# KiCad board middle.kicad_pcb (continued)
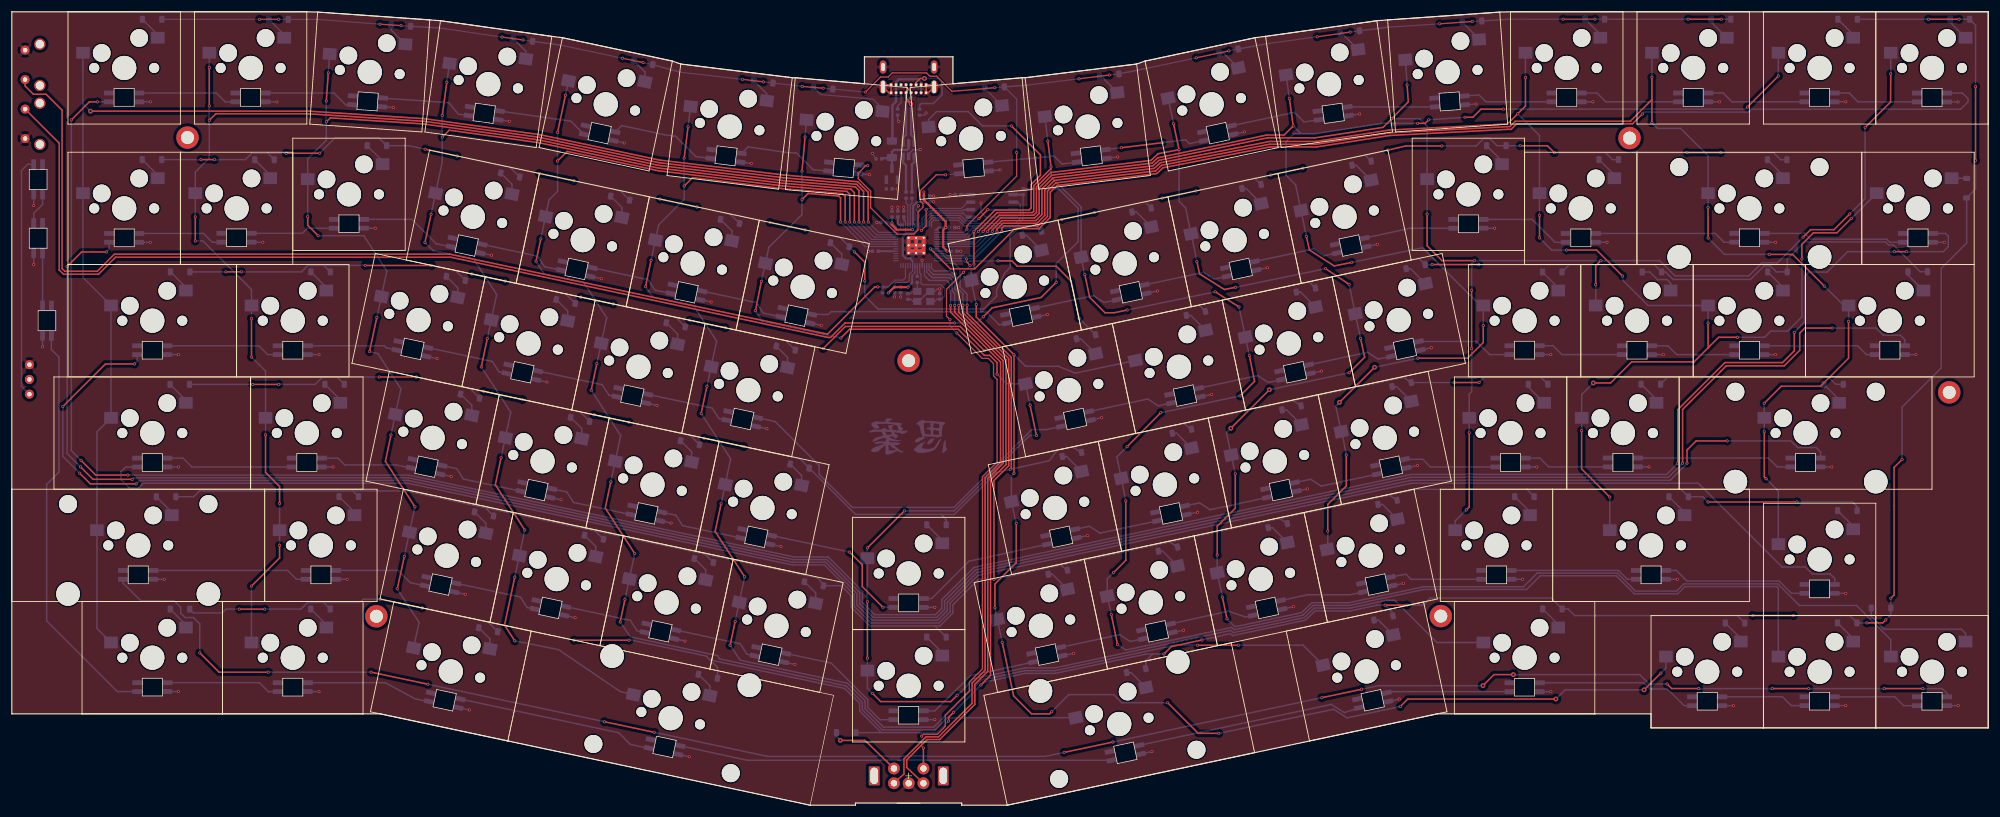
[diagram p0: board, top side]
## Routing (per net, layer and track width the routed paths; a pad name or vN(x,y) marks a point on that pad's centre or on a via; arc(x,y) is an arc through that point) (continued)
/IN_I0: length 70.1
  Bottom w0.25: RGBF0.2 17.88,19.28 5.9,31.25 5.9,54.38 7.99,56.47 7.99,75.98 6.71,77.26 RGBI0.4
/IN_I1: length 8.9
  Bottom w0.25: RGBI0.2 RGBI1.4
/IN_I2: length 5.5
  Bottom w0.25: RGBI2.4 5.21,101.87 3.71,100.37 RGBI1.2
/KC13_out: length 4.3
  Bottom w0.25: 324.03,87.28 KC13.2 321.41,89.9 DC13.2
/KD12_out: length 4.3
  Bottom w0.25: KD12.2 278.78,68.78 DD12.2
/KE0_out: length 4.2
  Bottom w0.25: DE0.2 27.13,49.68 KE0.2
/SW99B: length 12.6
  Top w0.25: v2(140.44,10.99) 144.6,10.99 SW1.S2
  Bottom w0.25: DF13.2 139.78,11.65 v2(140.44,10.99)
/~{USB_BOOT}: length 230
  Top w0.25: RSW1.2 8.03,112.27 8.03,90.77 8.77,90.03 14.69,90.03 17.59,92.93 74.37,92.93 138.36,79.32 138.78,79.32 141.23,81.78 v1(159.78,81.78) ; v1(164.67,82.84) 166.18,84.35 174.46,86.1 v1(177.02,88.66)
  Bottom w0.25: 164.45,82.62 v1(164.67,82.84) 163.59,81.77 v1(159.78,81.78) ; v1(177.02,88.66) 177.02,91.86 180.73,95.57 180.73,101.22 177.41,104.55 R0.1
col00: length 249.7
  Top w0.25: v1(145.15,98.91) 145.15,103.96 143.38,105.73 130.77,106.88 109.8,109.4 89.45,113.72 69.96,116.42 50.3,117.7 v2(13.34,117.7)
  Bottom w0.2: U3.41 146.92,97.15 ; 146.91,97.15 v1(145.15,98.91)
  Bottom w0.25: v2(13.34,117.7) 12.05,118.99 12.05,119 ; 12.05,119 KB0.1 12.05,89.51 KC0.1 KD0.1 14.43,63.31 KE0.1 14.43,29.97 KF0.1 ; 12.05,119 KA0.1
col01: length 233.9
  Top w0.25: v1(33.48,125.11) v1(33.48,118.6) ; v1(40.62,82.54) v1(40.63,76.01) ; v1(33.48,116.15) 34.58,117.25 50.29,117.25 69.93,115.97 89.37,113.27 109.75,108.95 130.78,106.4 143.18,105.3 144.37,104.1 v1(144.37,98.91) ; v1(45.39,51.17) 45.39,54.05 43.01,56.43 v1(43.01,62.81) ; v1(40.63,37.17) 45.39,41.93 v1(45.39,44.06) ; v1(31.1,99.76) v1(31.1,95.69)
  Bottom w0.2: v1(144.37,98.91) 146.53,96.75 U3.40
  Bottom w0.25: KF1.1 v1(40.63,37.17) ; v1(33.48,116.15) v1(33.48,118.6) ; v1(31.1,99.76) KB1.1 31.1,107.39 33.48,109.77 33.48,116.11 ; v1(45.39,51.17) KE1.1 v1(45.39,44.06) ; v1(43.01,62.81) KD1.1 43.01,73.63 v1(40.63,76.01) ; v1(40.62,82.54) KC1.1 40.62,87.45 32.38,95.69 v1(31.1,95.69) ; v1(33.48,125.11) KA1.1
col02: length 221.9
  Top w0.25: v1(53.64,124.18) v1(53.31,119.42) ; v1(65.33,36.69) v1(66.54,42.21) ; v1(51.92,96.58) 50.15,98.36 v1(50.15,99.81) ; v1(53.31,115.88) 53.31,115.88 53.99,116.56 69.84,115.52 89.31,112.82 109.68,108.5 130.69,105.93 142.97,104.86 143.59,104.25 v1(143.59,98.91) ; v1(61.87,82.73) v1(60.63,76.92) ; v1(68.33,50.6) 63.33,58.32 v1(64.26,62.76)
  Bottom w0.2: v1(143.59,98.91) 146.15,96.35 U3.39
  Bottom w0.25: v1(65.33,36.69) 69.03,30.99 KF2.1 ; v1(66.54,42.21) KE2.1 v1(68.33,50.6) ; v1(61.87,82.73) KC2.1 63.56,90.57 59.66,96.58 59.66,96.58 v1(51.92,96.58) ; v1(53.31,119.42) v1(53.31,115.88) 53.31,112.77 50.15,109.61 KB2.1 v1(50.15,99.81) ; KA2.1 v1(53.64,124.18) ; v1(64.26,62.76) KD2.1 65.94,70.59 62.06,76.58 v1(60.63,76.92)
col03: length 217.1
  Top w0.25: v1(85.25,38.66) 83.52,30.53 85.25,27.87 v1(85.25,27.86) ; v1(82.93,58.93) 81.96,54.36 v1(86.94,46.67) ; v1(73.73,122.6) v1(72.96,116.98) ; v1(72.96,113.29) 74.14,114.47 89.25,112.37 109.62,108.05 130.66,105.48 142.21,104.48 142.81,103.88 v1(142.81,98.91) ; v1(70.02,95.43) v1(71.06,100.2) ; v1(80.59,79.12) v1(79.58,74.33)
  Bottom w0.2: v1(142.81,98.91) 145.77,95.95 U3.38
  Bottom w0.25: v1(72.96,116.98) v1(72.96,113.29) 72.96,109.15 KB3.1 v1(71.06,100.2) ; v1(79.58,74.33) 84.57,66.63 KD3.1 v1(82.93,58.93) ; v1(85.25,27.86) 92.67,26.38 103.12,19.27 KF3.1 ; v1(80.59,79.12) KC3.1 82.18,86.61 78.3,92.6 71.38,94.08 v1(70.02,95.43) ; v1(85.25,38.66) KE3.1 v1(86.94,46.67) ; v1(73.73,122.6) KA3.1
col04: length 252.8
  Top w0.25: v1(142.03,98.91) 142.03,103.62 141.57,104.08 141.56,104.08 130.65,105.02 109.62,107.59 94.13,110.87 v1(92.5,109.24) ; v1(93.84,120.39) v1(92.5,114.1) ; v1(99.16,74.88) v1(98.2,70.38) ; v1(88.85,92.24) v1(89.66,96.03) ; v1(103.92,34.87) v1(103.11,31.08) ; v1(101.53,54.82) 100.58,50.38 v1(105.58,42.68)
  Bottom w0.2: U3.37 145.39,95.55 v1(142.03,98.91)
  Bottom w0.25: KF4.1 158.53,14.84 156.46,12.77 147.57,12.77 144.17,16.17 144.17,17.45 141.4,20.22 119.98,24.81 119.62,25.37 104.84,28.54 v1(103.11,31.08) ; v1(105.58,42.68) KE4.1 v1(103.92,34.87) ; v1(99.16,74.88) KC4.1 100.83,82.64 96.93,88.65 90.26,90.04 v1(88.85,92.24) ; v1(101.53,54.82) KD4.1 103.2,62.68 v1(98.2,70.38) ; v1(89.66,96.03) KB4.1 91.06,102.66 92.5,104.1 v1(92.5,109.24) v1(92.5,114.1) ; v1(93.84,120.39) KA4.1
col05: length 258.5
  Top w0.25: v1(124.21,38.73) 119.22,46.43 v1(120.22,51.11) ; v1(113.96,105.01) 115.38,106.43 130.65,104.56 140.79,103.7 141.25,103.24 v1(141.25,98.91) ; v1(122.61,31.14) v1(121.75,27.12) ; v1(114.62,115.05) v1(113.96,109.72) ; v1(200.99,27.13) v1(207.9,27.13) ; v1(108.35,92.4) v1(107.41,87.94) ; v1(117.82,71.03) v1(116.84,66.44)
  Bottom w0.2: U3.36 145.01,95.15 v1(141.25,98.91)
  Bottom w0.25: KF5.1 218.87,27.13 v1(207.9,27.13) ; v1(114.62,115.05) KA5.1 ; v1(124.21,38.73) KE5.1 v1(122.61,31.14) ; v1(116.84,66.44) 121.84,58.73 KD5.1 v1(120.22,51.11) ; v1(107.41,87.94) 108.63,86.15 115.59,84.67 119.46,78.7 KC5.1 v1(117.82,71.03) ; v1(113.96,109.72) v1(113.96,105.01) 113.96,102.74 109.65,98.43 KB5.1 v1(108.35,92.4) ; v1(200.99,27.13) 197.12,27.13 176.81,22.82 171.71,22.81 164.28,21.22 156.26,13.24 147.76,13.24 144.64,16.36 144.64,17.69 141.65,20.68 123.48,24.58 v1(121.75,27.12)
col06: length 291.2
  Top w0.25: v1(127.05,88.83) v1(126.03,83.87) ; v1(151.3,49.92) 151.3,49.92 v1(145.02,43.64) ; v1(140.47,98.91) 140.47,103 140.17,103.3 140.16,103.3 134.97,103.74 v1(133.93,102.7) ; v1(166.99,73.09) 166.99,75.05 165.76,76.28 164.84,76.28 160.42,80.71 142,80.71 v1(140.52,79.23) ; v1(134.45,113.31) v1(133.93,107.52) ; v1(160.23,18.64) 159.16,17.57 147.28,17.57 v1(145.92,18.93) ; v1(173.67,62.7) v1(172.59,67.82) ; v1(145.02,34.5) v1(145.02,24.93)
  Bottom w0.2: U3.35 144.63,94.75 v1(140.47,98.91)
  Bottom w0.25: v1(145.92,18.93) 145.02,19.83 KE6.1 v1(145.02,24.93) ; v1(145.02,43.64) KD6.1 v1(145.02,34.5) ; v1(172.59,67.82) KC6.1 168.63,71.46 v1(166.99,73.09) ; v1(140.52,79.23) 127.16,82.1 v1(126.03,83.87) ; v1(173.67,62.7) 172.52,62.7 159.73,49.92 v1(151.3,49.92) ; KB6.1 128.31,94.61 133.93,100.15 v1(133.93,102.7) v1(133.93,107.52) ; KF6.1 241.56,27.59 234.38,34.76 233.06,34.76 226.74,33.41 220.75,33.42 219.06,31.81 207.04,29.26 206.6,29.65 176.76,23.28 171.67,23.28 163.09,21.44 v1(160.23,18.64) ; v1(127.05,88.83) 127.7,91.88 ; v1(134.45,113.31) KA6.1
col07: length 278.9
  Top w0.25: v1(176.26,15.86) 175.9,15.49 172.85,15.49 169.8,18.54 v1(167.87,27.62) ; v2(261.71,18) 236.61,18 v1(235.34,16.73) ; v1(163.08,97.31) 163.08,97.34 166.68,100.94 172.43,100.94 172.77,101.28 172.77,105.25 174.35,106.83 174.35,110.28 v1(169.44,115.19) ; v1(163.08,97.31) 163.08,97.35 ; v1(163.08,97.31) v1(163.08,91.75) ; v1(204.59,12.19) 201.1,12.19 v1(195.92,17.37) ; v1(166.63,33.47) 166.63,37.5 170.24,41.11 v1(170.24,47.79) ; v1(279.51,22.4) 276.67,19.56 v2(276.67,19.56) ; v1(163.47,84.91) 163.47,82.78 v1(169.87,76.39) v1(169.87,56.28)
  Bottom w0.2: U3.4 162.12,96.35 v1(163.08,97.31)
  Bottom w0.25: 163.48,84.91 KB7.1 162.61,90.67 163.08,91.14 v1(163.08,91.75) ; v1(169.87,76.39) 171.82,74.43 177.37,74.43 180.22,73.27 KC7.1 ; KA7.1 155.39,116.26 156.75,117.62 162.11,117.62 164.54,115.19 v1(169.44,115.19) ; v1(195.92,17.37) 188.13,17.37 186.75,18.75 179.16,18.75 v1(176.26,15.86) ; v1(166.63,33.47) KE7.1 v1(167.87,27.62) ; v1(279.51,22.4) 280.37,23.26 KF7.1 ; v2(261.71,18) 263.27,19.56 v2(276.67,19.56) ; v1(170.24,47.79) KD7.1 169.42,55.84 v1(169.87,56.28) ; v1(204.59,12.19) 224.04,16.27 226.31,14.82 v1(235.34,16.73)
col08: length 290.4
  Top w0.25: v1(208.18,69.41) 208.18,69.41 210.64,71.87 v1(209.76,76.22) ; v1(186.36,32.31) v1(187.41,27.24) ; v1(203.97,87.07) v1(208.01,84.5) ; v1(189.07,83.98) 186.86,83.52 185.28,83.52 182.69,86.12 v1(181.87,89.98) ; v1(175.61,112.61) v1(176.14,108.24) 176.14,107.98 173.22,105.06 173.22,100.74 172.97,100.49 167.01,100.49 163.86,97.34 v1(163.86,97.31) 163.86,97.35 ; v1(189.04,60.8) v1(194.73,66.55) ; v1(186.76,39.47) 188.82,41.53 v1(188.82,51.61)
  Bottom w0.2: v1(163.86,97.31) 162.5,95.95 U3.5
  Bottom w0.25: v1(208.01,84.5) KC8.1 v1(209.76,76.22) ; v1(186.36,32.31) KE8.1 185.68,38.39 v1(186.76,39.47) ; KA8.1 v1(175.61,112.61) ; v1(187.41,27.24) 188.83,26.32 206.74,30.15 207.18,29.76 218.84,32.23 220.57,33.88 226.62,33.87 239.3,36.58 256.73,36.58 259.05,38.9 271.95,38.9 275,35.85 282.36,35.85 283.59,37.08 299.13,37.08 299.42,36.79 KF8.1 ; v1(194.73,66.55) v1(208.18,69.41) ; v1(189.07,83.98) v1(203.97,87.07) ; v1(176.14,108.24) 176.14,106.53 181.25,101.43 KB8.1 v1(181.87,89.98) ; v1(189.04,60.8) 187.29,59.05 KD8.1 v1(188.82,51.61)
col09: length 304.6
  Top w0.25: v1(200.86,92.18) 201.32,90.1 204.63,88.02 205.54,87.45 v1(207.4,87.83) ; v1(205.19,35.29) v1(205.96,31.61) ; v1(204.31,42.41) 204.31,47.31 207.38,50.38 v1(207.38,56.19) ; v1(226.68,73.34) 229.3,75.95 v1(228.61,79.14) ; v2(213.15,70.45) v2(206.62,63.92) ; v1(196.91,115.57) v1(197.84,111.16) 194.3,110.48 193.06,109.34 176.1,107.3 173.68,104.88 173.68,100.53 173.19,100.04 167.34,100.04 164.64,97.34 v1(164.64,97.31) 164.64,97.35 ; v1(222.67,90.99) v1(226.67,88.33)
  Bottom w0.2: U3.6 162.88,95.55 v1(164.64,97.31)
  Bottom w0.25: v1(204.31,42.41) KE9.1 v1(205.19,35.29) ; v1(207.4,87.83) v1(222.67,90.99) ; v1(205.96,31.61) 207.31,30.26 218.61,32.66 220.4,34.34 226.61,34.34 239.26,37.04 256.22,37.04 258.54,39.36 272.14,39.36 275.19,36.31 282.18,36.31 283.4,37.53 299.34,37.53 302.99,33.87 312.67,33.87 318.47,28.08 KF9.1 ; v2(206.62,63.92) 205.87,63.17 KD9.1 v1(207.38,56.19) ; v1(226.67,88.33) KC9.1 v1(228.61,79.14) ; KA9.1 196.91,115.57 ; v1(226.68,73.34) v2(213.15,70.45) ; KB9.1 198.96,101.29 197.84,102.4 v1(197.84,111.16) ; 199.93,96.87 v1(200.86,92.18)
col10: length 286.3
  Top w0.25: v1(219.42,96.47) 219.94,94.15 224.14,91.45 v1(227.12,92.06) ; v1(216.55,119.82) v1(217.2,115.19) 215.66,113.66 212.73,113.66 194.21,109.78 193.26,108.89 176.28,106.84 174.13,104.69 174.13,100.34 173.38,99.59 167.6,99.59 165.42,97.41 v1(165.42,97.31) ; v1(238.34,75.8) 246.74,75.8 249.41,78.47 v1(249.41,81.33) ; v1(299.42,123.65) v1(294.19,118.42) ; v1(226.19,59.37) 226.19,54.14 223.05,51 v1(223.05,46.48) ; v1(252.82,118.04) 249.02,118.04 247.64,116.66 v1(246.33,116.66) ; v1(240.15,116.24) 239.54,115.63 v1(238.27,115.63) ; v2(225.03,68.31) v2(230.98,74.26)
  Bottom w0.2: v1(165.42,97.31) 163.26,95.15 U3.7
  Bottom w0.25: KA10.1 216.55,119.82 ; 218.52,113.87 220.82,113.87 232.22,115.63 v1(238.27,115.63) ; 218.52,113.87 217.3,113.87 217.3,113.87 215.98,112.55 215.98,106.82 217.6,105.19 KB10.1 ; 218.52,113.87 217.2,115.19 v1(217.2,115.19) ; v1(294.19,118.42) 293.81,118.04 v1(252.82,118.04) ; 218.53,100.87 v1(219.42,96.47) ; v1(240.15,116.24) v1(246.33,116.66) ; v1(249.41,81.33) 249.41,81.33 KC10.1 248.91,84.74 239.12,94.53 v1(227.12,92.06) ; 225.43,63.4 v1(226.19,59.37) ; v1(299.42,123.65) 299.42,124.28 KF10.1 ; v1(238.34,75.8) v2(230.98,74.26) ; v2(225.03,68.31) 224.4,67.68 KD10.1 ; v1(223.05,46.48) 223.05,43.42
col11: length 287.6
  Top w0.25: v1(236.5,122.14) 236.7,119.28 v1(233.88,116.42) 232.44,114.95 220.86,113.17 212.82,113.17 194.44,109.36 193.45,108.44 176.52,106.41 176.51,106.41 174.6,104.5 174.6,100.18 173.56,99.14 167.79,99.14 166.2,97.55 v1(166.2,97.31) ; v1(247.03,63.15) 247.03,50.58 v1(246.52,50.07) ; v1(269.34,92.35) 268.46,91.47 268.46,88.27 ; v1(239.89,100.23) 239.89,94.87 242.41,92.35 v1(247.93,92.35) ; v1(311.52,100.27) 308.85,97.6 304.89,97.6 v1(303.61,96.32) ; v1(318.47,124.03) 318.45,119.25 v1(314.13,114.93) ; v1(247.43,77.43) v1(247.43,87.33)
  Bottom w0.2: v1(166.2,97.31) 163.64,94.75 U3.8
  Bottom w0.25: v1(303.61,96.32) 299.26,91.97 296.62,91.97 294.41,89.76 281.89,89.76 279.31,92.35 v1(269.34,92.35) v1(247.93,92.35) 247.43,91.85 v1(247.43,87.33) ; v1(247.43,77.43) 247.43,70.11 247.03,69.72 KD11.1 v1(247.03,63.15) ; v1(233.88,116.42) 238.61,116.42 239.89,115.14 KB11.1 239.89,100.23 v1(239.89,100.23) ; v1(318.47,124.03) KF11.1 ; v1(314.13,114.93) 314.13,102.88 v1(311.52,100.27) ; 268.46,88.27 KC11.1 ; KE11.1 244.65,48.2 v1(246.52,50.07) ; KA11.1 236.5,122.14
  vias: v1(268.46,88.28)
col12: length 279.1
  Top w0.25: v1(263.53,94.14) 268.62,94.14 273.02,89.74 v1(273.02,89.74) ; v1(270.84,52.27) 266.08,57.03 v1(266.08,63.53) ; 287.52,77.57 289.3,79.35 v1(292.49,79.35) ; 287.52,77.57 287.52,77.57 v1(287.51,81.74) ; 287.52,77.57 285.14,75.18 274.56,75.18 270.98,71.6 v2(268.06,71.6) ; v1(303.41,92.66) 303.41,95.11 305.37,97.06 309.36,97.06 v1(311.78,99.49) ; v1(256.56,123.4) 256.56,118.57 253.52,115.53 233.47,114.5 220.99,112.56 213.16,112.56 194.66,108.94 193.66,108 176.74,105.97 175.08,104.31 175.08,100.02 173.75,98.69 167.99,98.69 166.99,97.69 v1(166.99,97.31) ; v1(258.94,100.02) v1(258.94,96.21)
  Bottom w0.2: v1(166.99,97.31) 162.86,93.19 158.52,93.19 158.16,93.55 U3.11
  Bottom w0.25: v1(287.51,81.74) KC12.1 277.35,84.74 273.02,89.07 v1(273.02,89.74) ; v2(268.06,71.6) 266.08,69.62 KD12.1 v1(266.08,63.53) ; v1(263.53,94.14) 261.01,94.14 v1(258.94,96.21) ; v1(270.84,52.27) KE12.1 ; v1(258.94,100.02) 258.94,100.02 KB12.1 258.94,113.57 v1(255.24,117.26) ; 303.41,92.67 303.41,82.81 301,80.4 298.15,80.4 297.1,79.35 v1(292.49,79.35) ; KA12.1 256.56,123.4 v1(256.56,123.4) ; v1(311.78,99.49) KF12.1
col13: length 349.8
  Top w0.2: v1(154.2,11.71) 154.52,12.03 156.88,12.03 158.23,13.38 158.23,15.31 162.3,19.38 162.3,20.89 164.51,23.1 164.51,55.72 167.01,58.22 167.01,72.21 166.4,72.82 166.4,74.89 165.52,75.77 164.49,75.77 v1(160.18,80.08) ; v1(162.41,91.54) 161.82,92.13 v1(161.82,92.64) ; v1(161.31,90.39) 158.43,87.51 158.43,82.94 v1(159.01,82.36)
  Top w0.25: 277.99,119.65 277.99,119.65 v1(277.99,115.74) ; 277.99,119.65 v1(277.99,123.45) ; 277.99,119.65 274.34,116 254.83,116 253.9,115.08 253.54,115.08 233.53,114.03 221.1,112.09 213.21,112.09 194.89,108.52 193.87,107.56 176.97,105.54 176.96,105.54 175.54,104.12 175.54,99.84 173.93,98.23 168.17,98.23 167.81,97.87 v1(167.81,97.31) ; v1(297.33,55.36) 297.04,55.66 v1(297.04,63.32) ; v1(287.51,101.36) v1(287.52,96.19) ; 154.51,6.08 SW1.S1 v1(154.51,9.7) ; v1(311.32,82.03) 311.32,75.81 306.57,71.05 299.92,71.05 v1(297.04,68.17) ; v1(297.9,93.41) 301.84,93.41 v1(307.2,88.05)
  Bottom w0.2: v1(154.51,9.7) 154.2,10.01 v1(154.2,11.71) ; 161.44,92.73 158.41,92.73 157.99,93.15 U3.12 ; 161.44,92.73 163.23,92.73 ; 161.44,92.73 161.72,92.73 v1(161.82,92.64) ; v1(159.01,82.36) 159.01,81.25 v1(160.18,80.08) ; v1(161.31,90.39) 162.41,91.49 v1(162.41,91.54)
  Bottom w0.25: KA13.1 277.99,123.45 v1(277.99,123.45) ; v1(297.33,55.36) 299.42,53.28 KE13.1 ; v1(307.2,88.05) 310.51,84.74 KC13.1 v1(311.32,82.03) ; 163.23,92.73 v1(167.81,97.31) ; v1(287.52,96.19) 290.3,93.41 v1(297.9,93.41) ; 297.04,68.14 KD13.1 v1(297.04,63.32) ; v1(277.99,115.74) 278.95,114.78 282.86,114.78 287.51,110.13 KB13.1 v1(287.51,101.36)
CS: length 22.7
  Bottom w0.2: U3.56 155.88,98.85 156.24,99.21 160.48,99.21 161.42,98.26 170.25,98.26 171.42,99.43 R0.2
  Bottom w0.4: 171.45,103.53 169.84,103.53
D_N: length 6.2
  Bottom w0.4: 151.06,109.97 151.06,109.01 151.57,108.5 R4.1
D_P: length 6.2
  Bottom w0.4: R3.1 152.57,108.66 152.96,109.05 152.96,110.01
D_USB_N: length 10.8
  Top w0.25: JUSB1.A7 152.42,120.99 151.58,121.84 JUSB1.B7
  Bottom w0.4: JUSB1.A7 152.42,120.05 151.58,119.2 151.58,113.67 151.06,113.15 U4.4
D_USB_P: length 10.8
  Top w0.4: JUSB1.A6 151.58,119.77 v2(152.42,118.92)
  Bottom w0.25: JUSB1.B6 152.42,121.74 151.58,120.89 JUSB1.A6
  Bottom w0.4: v2(152.42,118.92) 152.42,113.69 152.96,113.16 U4.6
ENCA: length 103.7
  Top w0.25: v1(159.11,84.73) 159.11,83.65 167.59,75.17 167.59,58.15 164.97,55.53 164.97,22.9 162.76,20.69 162.76,17.28 157.07,11.59 154.95,11.59 151.22,7.86 151.22,5.29 SW1.A
  Bottom w0.2: 154.85,89.65 154.68,89.82 U3.18
  Bottom w0.25: 154.85,89.65 155.51,88.99 158.52,88.99 158.94,88.57 158.94,86.96 159.11,86.79 v1(159.11,84.73)
ENCB: length 104.1
  Top w0.25: SW1.B 151.69,6.4 151.69,7.69 155.14,11.14 157.26,11.14 163.23,17.11 163.23,20.51 165.42,22.7 165.42,55.34 168.04,57.96 168.04,75.37 159.81,83.6 v1(159.81,84.75)
  Bottom w0.2: 155.51,89.98 155.08,90.41 U3.17
  Bottom w0.25: v1(159.81,84.75) 159.81,86.79 159.39,87.22 159.39,89.05 158.95,89.49 156,89.49 155.51,89.98
QSPI_CLK: length 10
  Bottom w0.2: U2.6 161.38,101 161.18,100.81 155.57,100.81 154.28,99.52 U3.52
RGB_Matrix: length 194.1
  Top w0.25: v1(155.7,94.35) 159.08,90.96 163.21,90.96 170.03,97.78 174.12,97.78 176,99.66 176,103.93 177.17,105.1 194.06,107.11 195.11,108.09 213.25,111.63 221.13,111.63 233.58,113.57 253.54,114.61 254.12,114.61 255.06,115.55 274.7,115.55 v1(276.38,117.22)
  Bottom w0.2: U3.9 155.7,94.35
  Bottom w0.25: RGBF11.4 330.62,120.77 331.58,119.81 331.58,119.28 330.33,118.03 294.81,118.03 294.31,117.53 276.69,117.53 v1(276.38,117.22) ; 155.7,94.35 v1(155.7,94.35)
RGB_Out: length 41
  Bottom w0.25: RGBI2.2 2.68,108.68 1.64,107.64 1.64,71.04 J3.1
row00: length 304.4
  Top w0.2: v1(226.85,131.11) v1(221.25,130.32) ; v1(186.02,123.83) v1(180.88,123.19) ; v1(247.52,132.9) v1(242.01,132.51) ; v1(86.64,129.77) v1(83.1,130.26) ; v1(127.39,122.67) v1(123.85,123.09) ; v1(41.99,133.27) v1(45.24,133.27) ; v1(170.32,110.68) 170.32,106.68 161.89,98.25 v1(161.89,97.69) ; v1(144.69,120.94) 147.24,123.49 148.54,123.49 149.24,124.19 155.05,124.19 155.62,123.62 156.77,123.62 159.33,121.06 159.33,121.06 163.06,121.36 v1(166.62,121.68) ; v1(268.33,133.3) v1(262.94,133.29) ; v1(137.53,121.59) v1(133.97,121.89) ; v1(206.28,127.92) v1(200.75,126.74) ; v1(107.01,125.94) v1(103.51,126.67) ; v1(65.97,132.21) v1(62.41,132.45)
  Top w0.25: v1(284.13,133.29) v1(289.76,133.29)
  Bottom w0.2: 228.48,131.34 v1(226.85,131.11) ; v1(45.24,133.27) 46.86,133.27 DA1.1 51.75,133.26 v1(62.41,132.45) ; 187.66,124.03 v1(186.02,123.83) ; 113.21,124.32 v1(123.85,123.09) ; 192.32,124.96 v1(200.75,126.74) ; 249.16,133.01 v1(247.52,132.9) ; DA0.1 v1(41.99,133.27) ; DA5.1 v1(133.97,121.89) ; 67.61,132.1 v1(65.97,132.21) ; v1(137.53,121.59) DA6.1 v1(144.69,120.94) ; DA7.1 170.32,119.74 v1(170.32,110.68) ; 254.02,133.3 v1(262.94,133.29) ; 93.09,128.88 v1(103.51,126.67) ; 171.91,122.1 v1(180.88,123.19) ; 108.61,125.6 v1(107.01,125.94) ; 207.89,128.27 v1(206.28,127.92) ; 269.98,133.3 v1(268.33,133.3) ; v1(161.89,97.69) 161.35,97.15 U3.2 ; 129.02,122.47 v1(127.39,122.67) ; 233.27,131.93 v1(242.01,132.51) ; 88.27,129.54 v1(86.64,129.77) ; 72.51,131.8 v1(83.1,130.26) ; 212.72,129.14 v1(221.25,130.32) ; 168.25,121.83 v1(166.62,121.68)
  Bottom w0.25: 67.6,132.1 72.51,131.8 ; DA11.1 254.02,133.3 ; DA3.1 93.09,128.88 ; DA8.1 192.32,124.96 ; DA7.1 171.91,122.1 ; v1(289.76,133.29) 291.35,133.29 DA13.1 ; DA9.1 212.72,129.14 ; DA4.1 113.21,124.32 ; DA10.1 233.27,131.93 ; DA12.1 v1(284.13,133.29)
row01: length 332.4
  Top w0.25: v1(89.43,107.13) v1(95.25,105.9) ; v1(32.07,109.48) v1(34.36,109.48) ; v1(242.38,111.8) 236.28,111.8 v1(233.24,111.09) ; v1(70.07,111.25) v1(75.47,110.1) ; v1(144.56,88.94) 144.56,92.11 v1(142.84,93.83) ; v1(261.44,110.67) 260.28,111.84 v1(255.66,111.84) ; v1(109.86,102.79) v1(116.14,101.45) ; v1(128.53,98.82) v1(134.44,97.56) ; v1(283.95,110.67) v1(289.65,110.67) ; v1(213.35,106.86) v1(218.8,108.02) ; v1(194.99,102.96) v1(200.7,104.17) ; v1(177.98,99.34) v1(183.47,100.51) ; v1(52.16,110.56) v1(46.52,110.56)
  Bottom w0.2: U3.3 161.72,96.75 162.84,97.86 170.58,97.86
  Bottom w0.25: DB3.1 84.42,108.2 84.42,108.2 ; DB7.1 174.5,97.33 173.45,98.38 ; v1(218.8,108.02) 229.35,110.27 ; 229.35,110.27 v1(233.24,111.09) ; 229.35,110.27 230.4,109.22 ; v1(70.07,111.25) 67.23,111.85 DB2.1 62.29,113.08 54.68,113.08 v1(52.16,110.56) ; 173.45,98.38 171.02,97.86 170.58,97.86 169.23,96.5 169.23,91.18 168.29,90.24 166.91,87.35 166.91,86.32 164.74,84.15 146.81,84.15 144.56,86.39 v1(144.56,88.93) ; 173.45,98.38 v1(177.98,99.34) ; 43.38,110.56 40.66,110.56 39.58,109.48 v1(34.36,109.48) ; 43.38,110.56 DB1.1 ; 43.38,110.56 v1(46.52,110.56) ; DB5.1 121.74,100.26 121.73,100.26 ; 211.74,105.27 210.71,106.3 ; 210.71,106.3 v1(213.35,106.86) ; 210.71,106.3 v1(200.7,104.17) ; v1(194.99,102.96) v1(183.47,100.51) ; v1(255.66,111.84) DB11.1 251.74,111.84 250.54,113.04 249.44,113.04 248.2,111.8 v1(242.38,111.8) ; v1(142.84,93.83) DB6.1 140.37,96.3 140.36,96.3 v1(134.44,97.56) ; v1(75.47,110.1) 84.42,108.2 ; 84.42,108.2 v1(89.43,107.13) ; 270.13,110.67 271.33,109.48 DB12.1 ; 270.13,110.67 v1(261.44,110.67) ; 270.13,110.67 v1(283.95,110.67) ; v1(289.65,110.67) 298.61,110.67 299.82,109.46 DB13.1 ; 121.73,100.26 v1(128.53,98.82) ; 121.73,100.26 v1(116.14,101.45) ; v1(95.25,105.9) 103.1,104.23 ; 103.1,104.23 v1(109.86,102.79) ; 103.1,104.23 DB4.1 ; DB8.1 192.05,102.33 ; 25.41,109.48 v1(32.07,109.48)
row02: length 360.4
  Top w0.25: v1(101.94,85) v1(96.45,86.16) ; v1(59.89,91.53) v1(71.15,91.53) ; v1(180.89,82.61) 179.54,88.89 177.03,91.4 170.41,91.4 169.51,92.31 167.16,92.31 ; v1(120.91,80.97) v1(114.92,82.24) ; v1(137.53,77.44) 141.28,81.19 160.75,81.19 v1(164.85,77.09) 164.85,77.09 ; v1(36.29,90.45) v1(38.93,90.45) ; v1(248.64,91.66) 248.62,91.68 v1(240.73,91.68) ; v1(83.63,88.89) v1(77.96,90.09)
  Bottom w0.2: U3.13 157.83,92.75 158.27,92.31 161.37,92.31 161.59,92.09 162.12,92.09 162.34,92.31 167.16,92.31
  Bottom w0.25: 131.17,78.79 v1(120.91,80.97) ; 131.17,78.79 v1(137.53,77.44) ; 131.17,78.79 DC5.1 ; 182.61,80.86 v1(180.89,82.61) ; 182.61,80.86 201.23,84.82 ; 182.61,80.86 v1(164.85,77.09) ; 182.61,80.86 DC6.1 ; DC1.1 52.88,91.54 ; 52.88,91.54 59.89,91.54 v1(59.89,91.53) ; 52.88,91.54 50.18,91.54 49.09,90.45 v1(38.93,90.45) ; 167.16,92.31 v1(167.16,92.31) 167.16,92.31 ; 201.23,84.82 202.31,83.74 DC7.1 ; 201.23,84.82 219.87,88.78 ; 75.2,90.68 v1(71.15,91.53) ; 75.2,90.68 v1(77.96,90.09) ; 75.2,90.68 DC2.1 ; DC4.1 112.53,82.75 112.53,82.75 ; 263.99,91.66 v1(248.64,91.66) ; 263.99,91.66 278.41,91.66 DC11.1 280.31,90.42 281.57,89.15 294.7,89.15 297.01,91.46 298.05,91.46 299.08,90.44 DC12.1 300.92,92.6 303.84,95.52 317.58,95.52 318.1,95.01 318.92,95.01 323.46,90.47 DC13.1 ; 263.99,91.66 DC10.1 ; v1(240.73,91.68) DC9.1 239.56,91.68 238.5,92.74 219.87,88.78 ; 112.53,82.75 v1(101.94,85) ; 112.53,82.75 v1(114.92,82.24) ; v1(96.45,86.16) 93.86,86.71 ; 93.86,86.71 v1(83.63,88.89) ; 93.86,86.71 93.87,86.71 DC3.1 ; DC8.1 220.95,87.7 219.87,88.78 ; DC0.1 v1(36.29,90.45)
row03: length 354.5
  Top w0.25: v1(104.63,64.95) v1(98.65,66.22) ; v1(40.84,71.36) v1(45.23,71.36) ; v1(62.28,72.61) v1(68.55,72.61) ; v1(169.25,56.97) 169.42,57.14 169.42,75.94 161.91,83.45 v1(161.91,84.78) ; v1(86.54,68.79) v1(80.01,70.18) ; v1(244.48,71.68) v1(248.69,71.68) ; v1(124.03,60.82) v1(117.38,62.24)
  Bottom w0.2: U3.14 157.66,92.35 158.12,91.88 159.8,91.88
  Bottom w0.25: 157.48,49.32 158.38,48.42 DD6.1 ; 157.48,49.32 143,49.32 DD5.1 133.51,58.81 133.51,58.81 v1(124.03,60.82) ; 157.48,49.32 159.77,49.32 166.9,56.45 v1(169.25,56.97) 175.87,58.43 177.17,60.2 235.89,72.56 DD10.1 v1(244.48,71.68) ; v1(98.65,66.22) 96.3,66.72 ; 96.3,66.72 v1(86.54,68.79) ; 96.3,66.72 96.3,66.72 DD3.1 ; DD4.1 114.94,62.76 ; 114.94,62.76 v1(104.63,64.95) ; 114.94,62.76 v1(117.38,62.24) ; 55.13,72.61 52.67,72.61 51.42,71.36 v1(45.23,71.36) ; 55.13,72.61 DD1.1 56.35,71.36 ; 55.13,72.61 v1(62.28,72.61) ; DD7.1 179.79,60.75 ; v1(161.91,84.78) 161.91,86.68 160.74,87.85 160.74,90.94 159.8,91.88 ; 280.74,72.68 249.69,72.68 v1(248.69,71.68) ; 280.74,72.68 307.86,72.68 309.17,71.37 DD13.1 ; 280.74,72.68 DD12.1 ; 198.64,64.72 199.95,63.76 ; DD2.1 77.63,70.69 ; 77.63,70.69 v1(80.01,70.18) ; 77.63,70.69 v1(68.55,72.61) ; DD0.1 v1(40.84,71.36) ; DD11.1 259.07,72.68 ; 217.18,68.62 218.52,67.75
row04: length 378.6
  Top w0.25: v1(161.21,84.78) 161.21,83.51 168.97,75.75 168.97,57.56 166.47,55.06 v1(166.47,38.29) ; v1(302.56,51.42) v1(287.51,51.42)
  Bottom w0.2: U3.15 155.88,91.01 156.29,90.6
  Bottom w0.25: DE8.1 196.24,44.65 ; 158.38,28.5 156.47,30.4 ; 156.47,30.4 145.43,30.4 142.28,33.55 142.28,35.49 140.56,37.21 137.54,37.21 ; 156.47,30.4 157.31,30.4 159.5,32.59 159.5,33.96 163.83,38.29 v1(166.47,38.29) 238.02,53.57 256.8,53.57 ; DE11.1 256.8,53.57 ; 256.8,53.57 282.92,53.57 DE12.1 286.62,52.31 v1(287.51,51.42) ; 57.8,53.29 31.8,53.29 30.82,52.31 DE0.1 ; 57.8,53.29 DE1.1 ; 57.8,53.29 66.94,53.29 78.11,50.9 80.26,50.45 ; 137.54,37.24 136.7,38.54 117.46,42.6 ; DE13.1 312.77,50.65 312,51.42 v1(302.56,51.42) ; 233.45,52.59 DE10.1 ; 117.46,42.6 80.26,50.45 ; 117.46,42.6 DE4.1 ; DE2.1 80.26,50.45 80.26,50.45 ; 156.29,90.6 159.12,90.6 160.29,89.43 160.29,87.66 161.21,86.74 v1(161.21,84.78) ; DE7.1 177.75,40.7 ; DE9.1 214.89,48.63 ; DE3.1 98.87,46.52
row05: length 529.7
  Top w0.25: v1(38.58,33.25) v1(42.85,33.25) ; v1(320.39,58.62) 319.04,57.27 319.04,35.65 v1(318.48,35.09) ; v1(201.72,28.02) 196.53,26.89 195.29,25.65 v1(195.29,25.65) ; v1(159.63,15.76) 158.78,14.91 v1(158.78,14.27) ; v1(232.77,33.92) v1(236.43,33.92) ; v1(160.51,84.76) 160.51,83.55 168.51,75.55 168.51,57.76 165.89,55.14 165.89,22.02 v1(164.27,20.39) ; v1(301.98,32.16) v1(295.1,32.16) ; v1(62.45,34.94) v1(69.53,33.45) ; 332.85,109.34 v1(332.85,121.86) ; v1(317.62,31.41) 317.12,30.92 v1(314.44,30.92) ; v1(104.61,27.98) v1(95.29,27.98) ; v1(324.85,133.28) v1(330.04,133.28)
  Bottom w0.2: U3.16 155.48,90.71 155.74,90.45
  Bottom w0.25: v1(295.1,32.16) 292.47,32.16 ; 292.47,32.16 264.91,32.16 263.79,33.28 DF6.1 260.93,35.12 240.42,35.12 239.22,33.92 v1(236.43,33.92) ; 292.47,32.16 DF7.1 ; v1(332.85,109.33) 332.85,104.5 DF12.1 331.34,95.35 327.03,91.04 327.03,74.16 320.39,67.52 v1(320.39,58.62) ; 147.38,12.31 156.83,12.31 v1(158.78,14.27) ; 147.38,12.31 143.72,15.97 143.72,17.26 141.18,19.8 118.35,24.64 ; 147.38,12.31 DF13.1 ; v1(104.61,27.98) 105.07,27.98 117.7,25.29 119.6,23.39 DF3.1 ; v1(62.45,34.94) 59.58,34.94 59.02,34.38 52.86,34.38 ; v1(314.44,30.92) DF8.1 311.51,32.16 v1(301.98,32.16) ; 80.71,31.06 v1(95.29,27.98) ; 80.71,31.06 v1(69.53,33.45) ; 80.71,31.06 DF2.1 ; 53.95,33.25 DF1.1 52.86,34.38 ; v1(317.62,31.41) 318.48,32.27 DF9.1 v1(318.48,35.09) ; 193.37,25.65 192.3,25.64 176.86,22.36 171.76,22.35 164.73,20.85 v1(164.27,20.39) v1(159.63,15.76) ; 193.37,25.65 192.19,24.46 DF4.1 ; 193.37,25.65 v1(195.29,25.65) ; 52.86,34.38 50.15,34.38 49.02,33.25 v1(42.85,33.25) ; v1(160.51,84.76) 160.51,86.8 159.84,87.48 159.84,89.24 159.08,90 156.19,90 155.74,90.45 ; v1(332.85,121.86) 332.85,132.28 DF11.1 331.85,133.28 v1(330.04,133.28) ; v1(38.58,33.25) 36.3,33.25 35.66,32.61 30.8,32.61 DF0.1 ; v1(201.72,28.02) 206.51,29.1 206.92,28.76 219.29,31.39 219.66,31.76 220.91,32.95 226.8,32.93 231.37,33.92 v1(232.77,33.92) 234.11,32.59 DF5.1 ; DF10.1 v1(324.85,133.28)
SD0: length 8.9
  Bottom w0.2: U3.53 154.68,99.35 155.74,100.41 161.25,100.41 161.92,99.73
SD1: length 20.8
  Bottom w0.2: U3.55 155.48,99.02 156.07,99.61 160.64,99.61 161.58,98.66 170.09,98.66 170.94,99.51 170.94,101.85 170.52,102.27 U2.2
SD2: length 17
  Top w0.25: v1(163.93,99.48) 165.42,100.96 v1(165.42,101)
  Bottom w0.2: v1(163.93,99.48) 163.52,99.07 161.75,99.07 160.81,100.01 155.9,100.01 155.08,99.18 U3.54
  Bottom w0.25: U2.3 165.42,101 v1(165.42,101)
SD3: length 12.9
  Top w0.2: v1(154.18,97.48) 154.96,98.26 v1(154.96,100.98)
  Bottom w0.2: v1(154.96,100.98) 155.2,101.21 160.95,101.21 162.02,102.27 U2.7 ; v1(154.18,97.48) 153.88,97.78 U3.51
XTAL_IN: length 11.5
  Bottom w0.2: U3.20 153.88,90.29 154.1,90.07 154.1,88.54 154.38,88.26 157.46,88.26 158.1,87.62 158.1,86.29 157.61,85.8 C2.2 156.79,85.8 156.42,85.43 Y1.3
XTAL_OUT: length 1.8
  Bottom w0.2: R5.2 153.48,89.69 U3.21
~{RESET}: length 187.7
  Top w0.25: RSW2.1 2.25,121.98 3.67,120.56 5.81,120.56 8.51,117.86 8.51,91.02 8.99,90.54 14.48,90.54 17.4,93.46 74.18,93.46 138.25,79.87 146.27,87.89 v1(146.78,87.89)
  Bottom w0.2: 148.54,87.89 149.7,89.05 151.07,89.05 151.48,89.46 U3.26
  Bottom w0.25: v1(146.78,87.89) R6.2 148.54,87.89
Net-(C3-Pad2): length 3.3
  Bottom w0.2: 153.48,88.73 153.48,87.13 152.73,87.13 152.36,86.76 C3.2
Net-(DA0-A): length 4.2
  Bottom w0.25: DA0.2 24.75,130.66 KA0.2
Net-(DA1-A): length 4.2
  Bottom w0.25: DA1.2 46.18,130.64 KA1.2
Net-(DA2-A): length 4.3
  Bottom w0.25: DA2.2 64.31,131.46 KA2.2
Net-(DA3-A): length 4.3
  Bottom w0.25: KA3.2 87.12,127.87 DA3.2
Net-(DA4-A): length 4.4
  Bottom w0.25: 105.4,126.28 107.31,124.37 KA4.2
Net-(DA5-A): length 4.3
  Bottom w0.25: DA5.2 127.96,120.65 KA5.2
Net-(DA6-A): length 13.4
  Bottom w0.2: DA6.2 137.06,120.52 145.97,119.74 147.57,118.13 KA6.2
Net-(DA7-A): length 4.1
  Bottom w0.2: KA7.2 167.82,118.67 DA7.2
Net-(DA8-A): length 4.2
  Bottom w0.25: KA8.2 184.63,123.62 DA8.2
Net-(DA9-A): length 4.3
  Bottom w0.25: KA9.2 205.37,127.56 DA9.2
Net-(DA10-A): length 4.2
  Bottom w0.25: DA10.2 225.47,130.87 KA10.2
Net-(DA11-A): length 4.1
  Bottom w0.25: DA11.2 248.69,129.94 KA11.2
Net-(DA12-A): length 4.2
  Bottom w0.25: DA12.2 269.26,130.71 KA12.2 269.26,130.14
Net-(DA13-A): length 4.2
  Bottom w0.25: DA13.2 288.06,132.78 KA13.2 290.69,130.15
Net-(DB0-A): length 4.2
  Bottom w0.25: DB0.2 24.75,106.84 KB0.2
Net-(DB1-A): length 4.2
  Bottom w0.25: KB1.2 43.8,106.84 DB1.2
Net-(DB2-A): length 4.2
  Bottom w0.25: DB2.2 62.85,109.23 KB2.2
Net-(DB3-A): length 4.4
  Bottom w0.25: KB3.2 84.78,105.3 DB3.2
Net-(DB4-A): length 4.4
  Bottom w0.25: KB4.2 103.41,101.37 DB4.2
Net-(DB5-A): length 4.4
  Bottom w0.25: DB5.2 122.05,97.41 KB5.2
Net-(DB6-A): length 4.5
  Bottom w0.25: KB6.2 140.68,93.45 DB6.2
Net-(DB7-A): length 4.3
  Bottom w0.25: DB7.2 171.96,96.65 KB7.2
Net-(DB8-A): length 4.3
  Bottom w0.25: KB8.2 190.61,100.6 DB8.2
Net-(DB9-A): length 4.3
  Bottom w0.25: KB9.2 209.21,104.59 DB9.2
Net-(DB10-A): length 4.3
  Bottom w0.25: DB10.2 227.86,108.54 KB10.2
Net-(DB11-A): length 4.2
  Bottom w0.25: 252.59,108.71 KB11.2 252.59,109.23 DB11.2
Net-(DB12-A): length 4.2
  Bottom w0.25: DB12.2 271.64,106.86 KB12.2 271.64,106.33
Net-(DB13-A): length 4.2
  Bottom w0.25: KB13.2 300.21,106.82 DB13.2
Net-(DC0-A): length 4.3
  Bottom w0.25: KC0.2 29.51,87.83 DC0.2
Net-(DC1-A): length 4.2
  Bottom w0.25: DC1.2 53.33,87.79 KC1.2
Net-(DC2-A): length 4.4
  Bottom w0.25: DC2.2 75.59,87.75 KC2.2
Net-(DC3-A): length 4.4
  Bottom w0.25: DC3.2 94.22,83.82 KC3.2
Net-(DC4-A): length 4.4
  Bottom w0.25: DC4.2 112.85,79.88 KC4.2
Net-(DC5-A): length 4.4
  Bottom w0.25: KC5.2 131.49,75.94 DC5.2
Net-(DC6-A): length 4.3
  Bottom w0.25: DC6.2 181.19,79.1 KC6.2
Net-(DC7-A): length 4.3
  Bottom w0.25: KC7.2 199.82,83.06 DC7.2
Net-(DC8-A): length 4.3
  Bottom w0.25: DC8.2 218.45,87.02 KC8.2
Net-(DC9-A): length 4.3
  Bottom w0.25: KC9.2 237.07,91 DC9.2
Net-(DC10-A): length 4.2
  Bottom w0.25: DC10.2 262.11,87.76 KC10.2 262.11,87.28
Net-(DC11-A): length 6.8
  Bottom w0.25: 281.17,87.29 KC11.2 281.16,88.52 280.54,89.14 278.92,89.14 277.64,90.42 DC11.2
Net-(DC12-A): length 4.2
  Bottom w0.25: 300.21,87.28 KC12.2 300.21,87.85 DC12.2
Net-(DD0-A): length 4.2
  Bottom w0.25: KD0.2 29.51,68.67 DD0.2
Net-(DD1-A): length 4.2
  Bottom w0.25: KD1.2 55.71,68.74 DD1.2
Net-(DD2-A): length 4.4
  Bottom w0.25: KD2.2 77.97,67.81 DD2.2
Net-(DD3-A): length 4.4
  Bottom w0.25: KD3.2 96.6,63.88 DD3.2
Net-(DD4-A): length 4.4
  Bottom w0.25: DD4.2 115.24,59.92 KD4.2
Net-(DD5-A): length 4.4
  Bottom w0.25: DD5.2 133.87,55.91 KD5.2
Net-(DD6-A): length 4.2
  Bottom w0.25: DD6.2 157.72,44.92 KD6.2
Net-(DD7-A): length 4.3
  Bottom w0.25: DD7.2 178.78,59.14 KD7.2
Net-(DD8-A): length 4.3
  Bottom w0.25: DD8.2 197.44,63.08 KD8.2
Net-(DD9-A): length 4.3
  Bottom w0.25: KD9.2 216.07,67.04 DD9.2
Net-(DD10-A): length 4.3
  Bottom w0.25: DD10.2 234.71,71 KD10.2
Net-(DD11-A): length 4.3
  Bottom w0.25: KD11.2 257.06,70.9 DD11.2
Net-(DD13-A): length 4.2
  Bottom w0.25: DD13.2 309.74,68.76 KD13.2
Net-(DE1-A): length 4.2
  Bottom w0.25: DE1.2 58.09,49.7 KE1.2 58.09,49.19
Net-(DE2-A): length 4.4
  Bottom w0.25: KE2.2 80.35,47.82 DE2.2
Net-(DE3-A): length 4.4
  Bottom w0.25: DE3.2 98.98,43.86 KE3.2
Net-(DE4-A): length 4.4
  Bottom w0.25: 115.69,41.84 117.62,39.91 KE4.2
Net-(DE5-A): length 4.4
  Bottom w0.25: DE5.2 136.25,36 KE5.2
Net-(DE6-A): length 4.2
  Bottom w0.25: KE6.2 157.72,25.86 DE6.2
Net-(DE7-A): length 4.3
  Bottom w0.25: DE7.2 176.39,39.17 KE7.2
Net-(DE8-A): length 4.3
  Bottom w0.25: KE8.2 195.06,43.09 DE8.2
Net-(DE9-A): length 4.3
  Bottom w0.25: KE9.2 213.68,47.07 DE9.2
Net-(DE10-A): length 4.3
  Bottom w0.25: DE10.2 232.31,51.03 KE10.2
Net-(DE11-A): length 4.2
  Bottom w0.25: KE11.2 257.35,49.72 DE11.2
Net-(DE12-A): length 4.2
  Bottom w0.25: DE12.2 283.54,49.65 KE12.2
Net-(DE13-A): length 4.3
  Bottom w0.25: 309.47,49.96 312.12,47.31 KE13.2
Net-(DF0-A): length 4.2
  Bottom w0.25: KF0.2 29.51,30.6 DF0.2
Net-(DF1-A): length 4.2
  Bottom w0.25: DF1.2 53.33,30.61 KF1.2
Net-(DF2-A): length 4.4
  Bottom w0.25: DF2.2 81.05,28.19 KF2.2
Net-(DF3-A): length 4.4
  Bottom w0.25: DF3.2 118.31,20.26 KF3.2
Net-(DF4-A): length 4.3
  Bottom w0.25: DF4.2 189.69,22.49 KF4.2
Net-(DF5-A): length 4.3
  Bottom w0.25: DF5.2 231.62,31.4 KF5.2
Net-(DF6-A): length 4.2
  Bottom w0.25: DF6.2 262.11,30.65 KF6.2
Net-(DF7-A): length 4.2
  Bottom w0.25: KF7.2 293.07,28.26 DF7.2
Net-(DF8-A): length 4.3
  Bottom w0.25: KF8.2 312.12,28.25 DF8.2
Net-(DF9-A): length 20
  Bottom w0.25: DF9.2 315.18,32.01 317.34,29.85 330.43,29.85 331.17,29.11 KF9.2
Net-(DF10-A): length 4.2
  Bottom w0.25: 312.13,130.15 KF10.2 312.12,130.68 DF10.2
Net-(DF11-A): length 4.2
  Bottom w0.25: 331.17,130.14 KF11.2 328.56,132.75 DF11.2
Net-(DF12-A): length 2.5
  Bottom w0.25: 331.31,106.32 328.8,106.32 KF12.2

## Copper pours and planes (outline as drawn; the poured copper is in the pictures)
+3V3 on Bottom: 147.76,100.09 150.69,100.09 151.26,98.8 151.26,97.42 147.76,97.42
+3V3 on Bottom: 339.24,-7.05 -4.76,-7.05 -4.76,140.95 339.24,140.95
+5V on Bottom: 152.65,111.89 151.54,111.89 151.54,111.63 147.6,111.63 147.16,110.07 147.16,107.47 149.84,107.44 149.82,110.71 152.66,110.71
GND on Top: 153.42,99.07 150.75,99.06 150.68,120.19 153.35,120.2
GND on Top: 339.24,-7.05 -4.76,-7.05 -4.76,140.95 339.24,140.95
GND on Top: 144.52,126.92 159.51,126.9 159.51,120.28 144.49,120.3
GND on Bottom: 148.86,106.92 150.85,106.92 150.84,101.98 151.6,101.98 151.59,100.26 148.85,100.24
GND on Bottom: 163.65,102.61 165.01,102.62 164.96,100.63 170.14,100.48 170.06,99.13 164.48,99.14 163.66,100.21
GND on Bottom: 155.1,101.83 155.1,103.82 158.51,103.82 158.51,104.1 160.37,104.1 160.37,101.84

## Text on the board
B.Silkscreen: Bootsel | Reset | RGB matrix / Output | GND | VCC | JLCJLCJLCJLC | Wonderland - rev 0.0 by Ciaanh
